# Altium PCB PCB1.PcbDoc (part 2 of 6)
Units mil, origin at the board's own origin, x right, y up, seen from the top; angles counter-clockwise.
Board outline 3937.01 x 3937.01 mil, 4 copper layers (Top Layer, GND, PWR, Bottom Layer), stack 72.967 mil thick; 11 components, 206 nets, 668 pads, 258 vias.
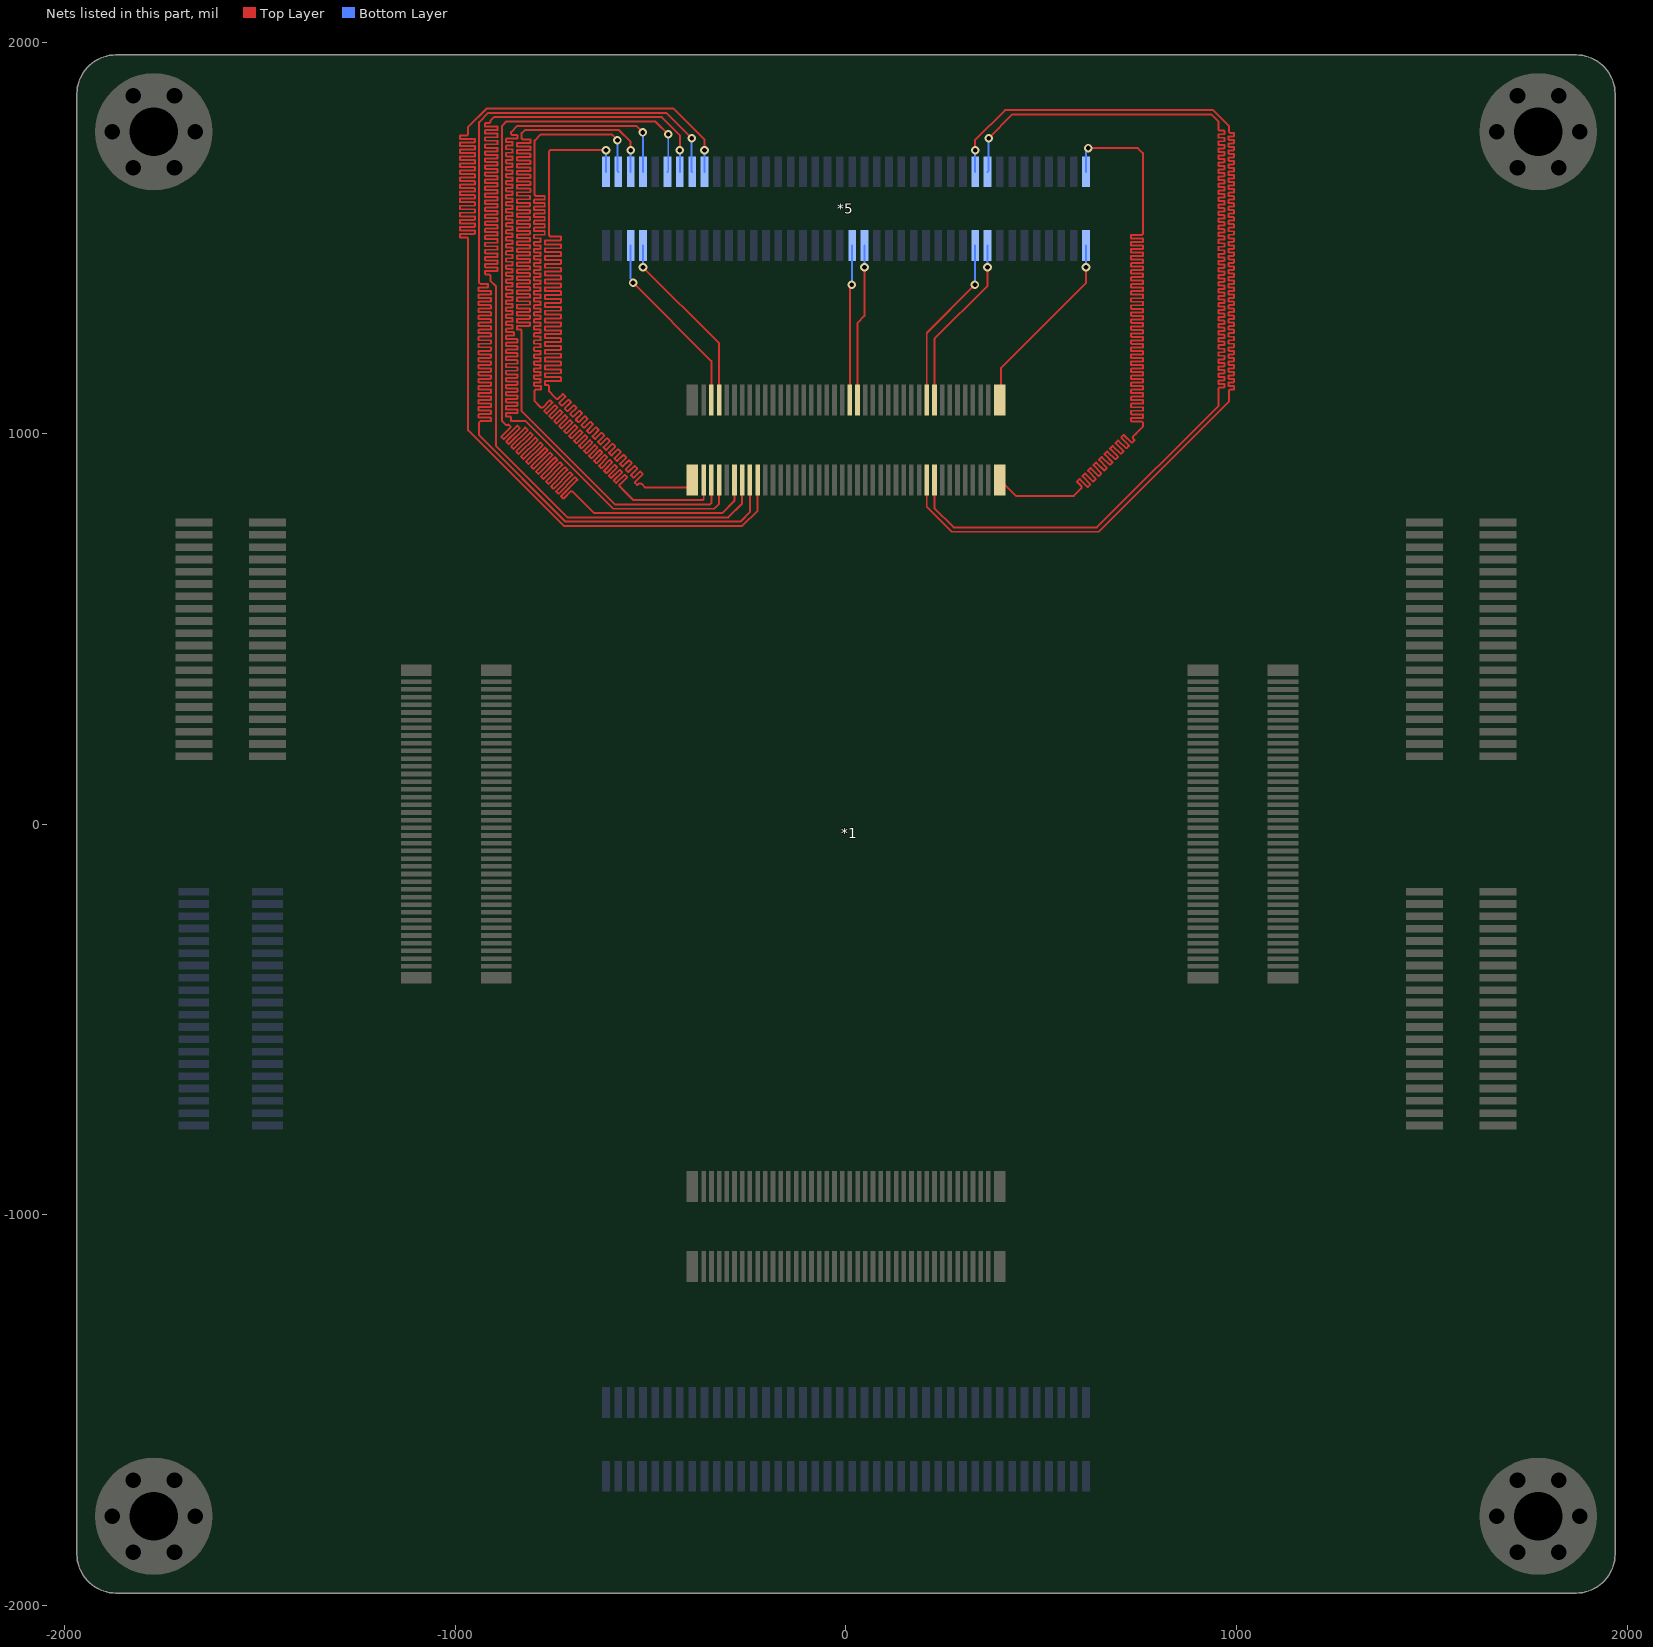
[diagram p4: the nets of this part, all layers, seen from the top]

## Via types
v1: diameter 22, hole 12, Top Layer to Bottom Layer, 254 vias
v2: diameter 24, hole 12, Top Layer to Bottom Layer, 4 vias

## Nets (pads, with @x,y where several pads share a name; then routed paths per layer and width w, separated by ;. In a path a pad name is that pad's centre, name@x,y a point inside that pad or via, vN(x,y) a via of type N, cw(c..) or ccw(c..) an arc to the next point about the centre after c; other vN are vias at no path point) (continued)
B13_L12_N: *1.97 *5.17 | length 3540.6
  Top Layer w5: v1(-362.21,1724.66) -362.21,1752.21 -441,1831 -920.11,1831 -967,1784.11 -967,1773 -967,1765.36 -969.93,1762.43 -987.55,1762.43 -988,1761.98 -988,1753.88 -987.55,1753.43 -950.45,1753.43 -950,1752.98 -950,1744.88 -950.45,1744.43 -987.55,1744.43 -988,1743.98 -988,1735.88 -987.55,1735.43 -950.45,1735.43 -950,1734.98 -950,1726.88 -950.45,1726.43 -987.55,1726.43 -988,1725.98 -988,1717.88 -987.55,1717.43 -950.45,1717.43 -950,1716.98 -950,1708.88 -950.45,1708.43 -987.55,1708.43 -988,1707.98 -988,1699.88 -987.55,1699.43 -950.45,1699.43 -950,1698.98 -950,1690.88 -950.45,1690.43 -987.55,1690.43 -988,1689.98 -988,1681.88 -987.55,1681.43 -950.45,1681.43 -950,1680.98 -950,1672.88 -950.45,1672.43 -987.55,1672.43 -988,1671.98 -988,1663.88 -987.55,1663.43 -950.45,1663.43 -950,1662.98 -950,1654.88 -950.45,1654.43 -987.55,1654.43 -988,1653.98 -988,1645.88 -987.55,1645.43 -950.45,1645.43 -950,1644.98 -950,1636.88 -950.45,1636.43 -987.55,1636.43 -988,1635.98 -988,1627.88 -987.55,1627.43 -950.45,1627.43 -950,1626.98 -950,1618.88 -950.45,1618.43 -987.55,1618.43 -988,1617.98 -988,1609.88 -987.55,1609.43 -950.45,1609.43 -950,1608.98 -950,1600.88 -950.45,1600.43 -987.55,1600.43 -988,1599.98 -988,1591.88 -987.55,1591.43 -950.45,1591.43 -950,1590.98 -950,1582.88 -950.45,1582.43 -987.55,1582.43 -988,1581.98 -988,1573.88 -987.55,1573.43 -950.45,1573.43 -950,1572.98 -950,1564.88 -950.45,1564.43 -987.55,1564.43 -988,1563.98 -988,1555.88 -987.55,1555.43 -950.45,1555.43 -950,1554.98 -950,1546.88 -950.45,1546.43 -987.55,1546.43 -988,1545.98 -988,1537.88 -987.55,1537.43 -950.45,1537.43 -950,1536.98 -950,1528.88 -950.45,1528.43 -987.55,1528.43 -988,1527.98 -988,1519.88 -987.55,1519.43 -950.45,1519.43 -950,1518.98 -950,1510.88 -950.45,1510.43 -987.55,1510.43 -988,1509.98 -988,1501.88 -987.55,1501.43 -969.93,1501.43 -967,1498.5 -967,1496 -967,1007.45 -722.46,762.91 -265.5,762.91 -226.34,802.06 *1.97@-226.34,880.78
  Bottom Layer w5: *5.17@-362.21,1669.29 v1(-362.21,1724.66)
B13_L12_P: *1.95 *5.15 | length 3561
  Top Layer w5: v1(-395,1755) -460,1820 -915.56,1820 -939,1796.56 -939,1392 -939,1385.11 -936.07,1382.18 -917.19,1382.18 -916.74,1381.73 -916.74,1373.63 -917.19,1373.18 -939.99,1373.18 -940.44,1372.73 -940.44,1364.63 -939.99,1364.18 -909.45,1364.18 -909,1363.73 -909,1355.63 -909.45,1355.18 -939.99,1355.18 -940.44,1354.73 -940.44,1346.63 -939.99,1346.18 -909.45,1346.18 -909,1345.73 -909,1337.63 -909.45,1337.18 -939.99,1337.18 -940.44,1336.73 -940.44,1328.63 -939.99,1328.18 -909.45,1328.18 -909,1327.73 -909,1319.63 -909.45,1319.18 -939.99,1319.18 -940.44,1318.73 -940.44,1310.63 -939.99,1310.18 -909.45,1310.18 -909,1309.73 -909,1301.63 -909.45,1301.18 -939.99,1301.18 -940.44,1300.73 -940.44,1292.63 -939.99,1292.18 -909.45,1292.18 -909,1291.73 -909,1283.63 -909.45,1283.18 -939.99,1283.18 -940.44,1282.73 -940.44,1274.63 -939.99,1274.18 -909.45,1274.18 -909,1273.73 -909,1265.63 -909.45,1265.18 -939.99,1265.18 -940.44,1264.73 -940.44,1256.63 -939.99,1256.18 -909.45,1256.18 -909,1255.73 -909,1247.63 -909.45,1247.18 -939.99,1247.18 -940.44,1246.73 -940.44,1238.63 -939.99,1238.18 -909.45,1238.18 -909,1237.73 -909,1229.63 -909.45,1229.18 -939.99,1229.18 -940.44,1228.73 -940.44,1220.63 -939.99,1220.18 -909.45,1220.18 -909,1219.73 -909,1211.63 -909.45,1211.18 -939.99,1211.18 -940.44,1210.73 -940.44,1202.63 -939.99,1202.18 -909.45,1202.18 -909,1201.73 -909,1193.63 -909.45,1193.18 -939.99,1193.18 -940.44,1192.73 -940.44,1184.63 -939.99,1184.18 -909.45,1184.18 -909,1183.73 -909,1175.63 -909.45,1175.18 -939.99,1175.18 -940.44,1174.73 -940.44,1166.63 -939.99,1166.18 -909.45,1166.18 -909,1165.73 -909,1157.63 -909.45,1157.18 -939.99,1157.18 -940.44,1156.73 -940.44,1148.63 -939.99,1148.18 -909.45,1148.18 -909,1147.73 -909,1139.63 -909.45,1139.18 -939.99,1139.18 -940.44,1138.73 -940.44,1130.63 -939.99,1130.18 -909.45,1130.18 -909,1129.73 -909,1121.63 -909.45,1121.18 -939.99,1121.18 -940.44,1120.73 -940.44,1112.63 -939.99,1112.18 -909.45,1112.18 -909,1111.73 -909,1103.63 -909.45,1103.18 -939.99,1103.18 -940.44,1102.73 -940.44,1094.63 -939.99,1094.18 -909.45,1094.18 -909,1093.73 -909,1085.63 -909.45,1085.18 -939.99,1085.18 -940.44,1084.73 -940.44,1076.63 -939.99,1076.18 -909.45,1076.18 -909,1075.73 -909,1067.63 -909.45,1067.18 -939.99,1067.18 -940.44,1066.73 -940.44,1058.63 -939.99,1058.18 -909.45,1058.18 -909,1057.73 -909,1049.63 -909.45,1049.18 -939.99,1049.18 -940.44,1048.73 -940.44,1040.63 -939.99,1040.18 -909.45,1040.18 -909,1039.73 -909,1031.63 -909.45,1031.18 -936.07,1031.18 -939,1028.25 -939,1016.75 -939,995.01 -717.9,773.91 -270.05,773.91 -246.03,797.93 *1.95@-246.03,880.78
  Bottom Layer w5: v1(-395,1755) -395,1670.59 *5.15@-393.7,1669.29
B13_L13_N: *1.93 *5.13 | length 3540.1
  Top Layer w5: v1(-425.2,1724.66) -425.2,1762.78 -471.42,1809 -901,1809 -910,1800 -910,1796.66 -912.93,1793.74 -922.95,1793.74 -923.4,1793.29 -923.4,1785.19 -922.95,1784.74 -892.45,1784.74 -892,1784.29 -892,1776.19 -892.45,1775.74 -922.95,1775.74 -923.4,1775.29 -923.4,1767.19 -922.95,1766.74 -892.45,1766.74 -892,1766.29 -892,1758.19 -892.45,1757.74 -922.95,1757.74 -923.4,1757.29 -923.4,1749.19 -922.95,1748.74 -892.45,1748.74 -892,1748.29 -892,1740.19 -892.45,1739.74 -922.95,1739.74 -923.4,1739.29 -923.4,1731.19 -922.95,1730.74 -892.45,1730.74 -892,1730.29 -892,1722.19 -892.45,1721.74 -922.95,1721.74 -923.4,1721.29 -923.4,1713.19 -922.95,1712.74 -892.45,1712.74 -892,1712.29 -892,1704.19 -892.45,1703.74 -922.95,1703.74 -923.4,1703.29 -923.4,1695.19 -922.95,1694.74 -892.45,1694.74 -892,1694.29 -892,1686.19 -892.45,1685.74 -922.95,1685.74 -923.4,1685.29 -923.4,1677.19 -922.95,1676.74 -892.45,1676.74 -892,1676.29 -892,1668.19 -892.45,1667.74 -922.95,1667.74 -923.4,1667.29 -923.4,1659.19 -922.95,1658.74 -892.45,1658.74 -892,1658.29 -892,1650.19 -892.45,1649.74 -922.95,1649.74 -923.4,1649.29 -923.4,1641.19 -922.95,1640.74 -892.45,1640.74 -892,1640.29 -892,1632.19 -892.45,1631.74 -922.95,1631.74 -923.4,1631.29 -923.4,1623.19 -922.95,1622.74 -892.45,1622.74 -892,1622.29 -892,1614.19 -892.45,1613.74 -922.95,1613.74 -923.4,1613.29 -923.4,1605.19 -922.95,1604.74 -892.45,1604.74 -892,1604.29 -892,1596.19 -892.45,1595.74 -922.95,1595.74 -923.4,1595.29 -923.4,1587.19 -922.95,1586.74 -892.45,1586.74 -892,1586.29 -892,1578.19 -892.45,1577.74 -922.95,1577.74 -923.4,1577.29 -923.4,1569.19 -922.95,1568.74 -892.45,1568.74 -892,1568.29 -892,1560.19 -892.45,1559.74 -922.95,1559.74 -923.4,1559.29 -923.4,1551.19 -922.95,1550.74 -892.45,1550.74 -892,1550.29 -892,1542.19 -892.45,1541.74 -922.95,1541.74 -923.4,1541.29 -923.4,1533.19 -922.95,1532.74 -892.45,1532.74 -892,1532.29 -892,1524.19 -892.45,1523.74 -922.95,1523.74 -923.4,1523.29 -923.4,1515.19 -922.95,1514.74 -892.45,1514.74 -892,1514.29 -892,1506.19 -892.45,1505.74 -922.95,1505.74 -923.4,1505.29 -923.4,1497.19 -922.95,1496.74 -892.45,1496.74 -892,1496.29 -892,1488.19 -892.45,1487.74 -922.95,1487.74 -923.4,1487.29 -923.4,1479.19 -922.95,1478.74 -892.45,1478.74 -892,1478.29 -892,1470.19 -892.45,1469.74 -922.95,1469.74 -923.4,1469.29 -923.4,1461.19 -922.95,1460.74 -892.45,1460.74 -892,1460.29 -892,1452.19 -892.45,1451.74 -922.95,1451.74 -923.4,1451.29 -923.4,1443.19 -922.95,1442.74 -892.45,1442.74 -892,1442.29 -892,1434.19 -892.45,1433.74 -922.95,1433.74 -923.4,1433.29 -923.4,1425.19 -922.95,1424.74 -892.45,1424.74 -892,1424.29 -892,1416.19 -892.45,1415.74 -922.95,1415.74 -923.4,1415.29 -923.4,1407.19 -922.95,1406.74 -912.93,1406.74 -910,1403.81 -910,1401.31 -910,1391 -896,1377 -896,967.56 -713.35,784.91 -301.09,784.91 -265.71,820.29 *1.93@-265.71,880.78
  Bottom Layer w5: *5.13@-425.2,1669.29 v1(-425.2,1724.66)
B13_L13_P: *1.91 *5.11 | length 3526.5
  Top Layer w5: v1(-455,1765) -488,1798 -869,1798 -881,1786 -881,1032.32 -872.34,1023.66 -870.57,1021.89 -869.71,1021.03 -865.57,1021.03 -864.37,1022.24 -863.73,1022.24 -858,1016.51 -858,1015.87 -882.17,991.7 -882.17,991.07 -876.44,985.34 -875.81,985.34 -841.47,1019.68 -840.83,1019.68 -835.1,1013.95 -835.1,1013.32 -869.44,978.98 -869.44,978.34 -863.72,972.61 -863.08,972.61 -821.29,1014.4 -820.65,1014.4 -814.93,1008.68 -814.93,1008.04 -856.72,966.25 -856.72,965.61 -850.99,959.88 -850.35,959.88 -808.56,1001.67 -807.93,1001.67 -802.2,995.95 -802.2,995.31 -843.99,953.52 -843.99,952.88 -838.26,947.16 -837.62,947.16 -795.83,988.95 -795.2,988.95 -789.47,983.22 -789.47,982.58 -831.26,940.79 -831.26,940.16 -825.53,934.43 -824.9,934.43 -783.11,976.22 -782.47,976.22 -776.74,970.49 -776.74,969.86 -818.53,928.06 -818.53,927.43 -812.8,921.7 -812.17,921.7 -770.38,963.49 -769.74,963.49 -764.01,957.76 -764.01,957.13 -805.8,915.34 -805.8,914.7 -800.08,908.97 -799.44,908.97 -757.65,950.76 -757.01,950.76 -751.29,945.04 -751.29,944.4 -793.08,902.61 -793.08,901.97 -787.35,896.25 -786.71,896.25 -744.92,938.04 -744.29,938.04 -738.56,932.31 -738.56,931.67 -780.35,889.88 -780.35,889.24 -774.62,883.52 -773.98,883.52 -732.19,925.31 -731.56,925.31 -725.83,919.58 -725.83,918.94 -767.62,877.15 -767.62,876.52 -761.89,870.79 -761.26,870.79 -719.47,912.58 -718.83,912.58 -713.1,906.85 -713.1,906.22 -754.89,864.43 -754.89,863.79 -749.16,858.06 -748.53,858.06 -706.74,899.85 -706.1,899.85 -700.37,894.12 -700.37,893.49 -742.16,851.7 -742.16,851.06 -736.44,845.33 -735.8,845.33 -694.01,887.12 -693.37,887.12 -687.65,881.4 -687.65,880.76 -729.44,838.97 -729.44,838.33 -723.71,832.61 -723.07,832.61 -704.25,851.43 -700.11,851.43 -698.34,849.66 -644.59,795.91 -317.09,795.91 -285.4,827.6 *1.91@-285.4,880.78
  Bottom Layer w5: *5.11@-456.69,1669.29 -455,1670.99 v1(-455,1765)
B13_L14_N: *1.88 *5.8 | length 495.1
  Top Layer w5: v1(-519.69,1424.95) -324.77,1230.03 *1.88@-324.77,1066
  Bottom Layer w5: v1(-519.69,1424.95) *5.8@-519.69,1480.32
B13_L14_P: *1.86 *5.6 | length 480.4
  Top Layer w5: v1(-545,1385) -344.45,1184.45 *1.86@-344.45,1085.5
  Bottom Layer w5: *5.6@-551.18,1480.32 -551.18,1395.78 -545,1389.6 v1(-545,1385)
B13_L15_N: *1.87 *5.7 | length 3488.3
  Top Layer w5: v1(-520,1770) -537,1787 -841,1787 -857,1771 -857,1765.94 -854.07,1763.01 -841.45,1763.01 -841,1762.56 -841,1754.46 -841.45,1754.01 -869.55,1754.01 -870,1753.56 -870,1745.46 -869.55,1745.01 -853.5,1745.01 -853.05,1744.56 -853.05,1736.46 -853.5,1736.01 -869.55,1736.01 -870,1735.56 -870,1727.46 -869.55,1727.01 -853.5,1727.01 -853.05,1726.56 -853.05,1718.46 -853.5,1718.01 -869.55,1718.01 -870,1717.56 -870,1709.46 -869.55,1709.01 -853.5,1709.01 -853.05,1708.56 -853.05,1700.46 -853.5,1700.01 -869.55,1700.01 -870,1699.56 -870,1691.46 -869.55,1691.01 -853.5,1691.01 -853.05,1690.56 -853.05,1682.46 -853.5,1682.01 -869.55,1682.01 -870,1681.56 -870,1673.46 -869.55,1673.01 -853.5,1673.01 -853.05,1672.56 -853.05,1664.46 -853.5,1664.01 -869.55,1664.01 -870,1663.56 -870,1655.46 -869.55,1655.01 -853.5,1655.01 -853.05,1654.56 -853.05,1646.46 -853.5,1646.01 -869.55,1646.01 -870,1645.56 -870,1637.46 -869.55,1637.01 -853.5,1637.01 -853.05,1636.56 -853.05,1628.46 -853.5,1628.01 -869.55,1628.01 -870,1627.56 -870,1619.46 -869.55,1619.01 -853.5,1619.01 -853.05,1618.56 -853.05,1610.46 -853.5,1610.01 -869.55,1610.01 -870,1609.56 -870,1601.46 -869.55,1601.01 -853.5,1601.01 -853.05,1600.56 -853.05,1592.46 -853.5,1592.01 -869.55,1592.01 -870,1591.56 -870,1583.46 -869.55,1583.01 -853.5,1583.01 -853.05,1582.56 -853.05,1574.46 -853.5,1574.01 -869.55,1574.01 -870,1573.56 -870,1565.46 -869.55,1565.01 -853.5,1565.01 -853.05,1564.56 -853.05,1556.46 -853.5,1556.01 -869.55,1556.01 -870,1555.56 -870,1547.46 -869.55,1547.01 -853.5,1547.01 -853.05,1546.56 -853.05,1538.46 -853.5,1538.01 -869.55,1538.01 -870,1537.56 -870,1529.46 -869.55,1529.01 -853.5,1529.01 -853.05,1528.56 -853.05,1520.46 -853.5,1520.01 -869.55,1520.01 -870,1519.56 -870,1511.46 -869.55,1511.01 -853.5,1511.01 -853.05,1510.56 -853.05,1502.46 -853.5,1502.01 -869.55,1502.01 -870,1501.56 -870,1493.46 -869.55,1493.01 -853.5,1493.01 -853.05,1492.56 -853.05,1484.46 -853.5,1484.01 -869.55,1484.01 -870,1483.56 -870,1475.46 -869.55,1475.01 -853.5,1475.01 -853.05,1474.56 -853.05,1466.46 -853.5,1466.01 -869.55,1466.01 -870,1465.56 -870,1457.46 -869.55,1457.01 -853.5,1457.01 -853.05,1456.56 -853.05,1448.46 -853.5,1448.01 -869.55,1448.01 -870,1447.56 -870,1439.46 -869.55,1439.01 -853.5,1439.01 -853.05,1438.56 -853.05,1430.46 -853.5,1430.01 -869.55,1430.01 -870,1429.56 -870,1421.46 -869.55,1421.01 -853.5,1421.01 -853.05,1420.56 -853.05,1412.46 -853.5,1412.01 -869.55,1412.01 -870,1411.56 -870,1403.46 -869.55,1403.01 -853.5,1403.01 -853.05,1402.56 -853.05,1394.46 -853.5,1394.01 -869.55,1394.01 -870,1393.56 -870,1385.46 -869.55,1385.01 -853.5,1385.01 -853.05,1384.56 -853.05,1376.46 -853.5,1376.01 -869.55,1376.01 -870,1375.56 -870,1367.46 -869.55,1367.01 -853.5,1367.01 -853.05,1366.56 -853.05,1358.46 -853.5,1358.01 -869.55,1358.01 -870,1357.56 -870,1349.46 -869.55,1349.01 -853.5,1349.01 -853.05,1348.56 -853.05,1340.46 -853.5,1340.01 -869.55,1340.01 -870,1339.56 -870,1331.46 -869.55,1331.01 -853.5,1331.01 -853.05,1330.56 -853.05,1322.46 -853.5,1322.01 -869.55,1322.01 -870,1321.56 -870,1313.46 -869.55,1313.01 -853.5,1313.01 -853.05,1312.56 -853.05,1304.46 -853.5,1304.01 -869.55,1304.01 -870,1303.56 -870,1295.46 -869.55,1295.01 -853.5,1295.01 -853.05,1294.56 -853.05,1286.46 -853.5,1286.01 -869.55,1286.01 -870,1285.56 -870,1277.46 -869.55,1277.01 -853.5,1277.01 -853.05,1276.56 -853.05,1268.46 -853.5,1268.01 -869.55,1268.01 -870,1267.56 -870,1259.46 -869.55,1259.01 -850.63,1259.01 -850.18,1258.56 -850.18,1250.46 -850.63,1250.01 -869.55,1250.01 -870,1249.56 -870,1241.46 -869.55,1241.01 -841.45,1241.01 -841,1240.56 -841,1232.46 -841.45,1232.01 -869.55,1232.01 -870,1231.56 -870,1223.46 -869.55,1223.01 -841.45,1223.01 -841,1222.56 -841,1214.46 -841.45,1214.01 -869.55,1214.01 -870,1213.56 -870,1205.46 -869.55,1205.01 -841.45,1205.01 -841,1204.56 -841,1196.46 -841.45,1196.01 -869.55,1196.01 -870,1195.56 -870,1187.46 -869.55,1187.01 -841.45,1187.01 -841,1186.56 -841,1178.46 -841.45,1178.01 -869.55,1178.01 -870,1177.56 -870,1169.46 -869.55,1169.01 -841.45,1169.01 -841,1168.56 -841,1160.46 -841.45,1160.01 -869.55,1160.01 -870,1159.56 -870,1151.46 -869.55,1151.01 -841.45,1151.01 -841,1150.56 -841,1142.46 -841.45,1142.01 -869.55,1142.01 -870,1141.56 -870,1133.46 -869.55,1133.01 -841.45,1133.01 -841,1132.56 -841,1124.46 -841.45,1124.01 -869.55,1124.01 -870,1123.56 -870,1115.46 -869.55,1115.01 -841.45,1115.01 -841,1114.56 -841,1106.46 -841.45,1106.01 -869.55,1106.01 -870,1105.56 -870,1097.46 -869.55,1097.01 -841.45,1097.01 -841,1096.56 -841,1088.46 -841.45,1088.01 -869.55,1088.01 -870,1087.56 -870,1079.46 -869.55,1079.01 -841.45,1079.01 -841,1078.56 -841,1070.46 -841.45,1070.01 -869.55,1070.01 -870,1069.56 -870,1061.46 -869.55,1061.01 -841.45,1061.01 -841,1060.56 -841,1052.46 -841.45,1052.01 -869.55,1052.01 -870,1051.56 -870,1043.46 -869.55,1043.01 -859.93,1043.01 -857,1040.08 -857,1037.58 -857,1031 -820,1031 -595.91,806.91 -337.64,806.91 -324.77,819.78 *1.87@-324.77,880.78
  Bottom Layer w5: v1(-520,1770) -520,1669.61 *5.7@-519.69,1669.29
B13_L15_P: *1.85 *5.5 | length 3496.3
  Top Layer w5: v1(-551.18,1724.66) -551.18,1746.18 -581,1776 -822,1776 -830,1768 -830,1763.5 -830,1754.9 -827.07,1751.97 -808.45,1751.97 -808,1751.52 -808,1743.42 -808.45,1742.97 -841.6,1742.97 -842.05,1742.52 -842.05,1734.42 -841.6,1733.97 -808.45,1733.97 -808,1733.52 -808,1725.42 -808.45,1724.97 -841.6,1724.97 -842.05,1724.52 -842.05,1716.42 -841.6,1715.97 -808.45,1715.97 -808,1715.52 -808,1707.42 -808.45,1706.97 -841.6,1706.97 -842.05,1706.52 -842.05,1698.42 -841.6,1697.97 -808.45,1697.97 -808,1697.52 -808,1689.42 -808.45,1688.97 -841.6,1688.97 -842.05,1688.52 -842.05,1680.42 -841.6,1679.97 -808.45,1679.97 -808,1679.52 -808,1671.42 -808.45,1670.97 -841.6,1670.97 -842.05,1670.52 -842.05,1662.42 -841.6,1661.97 -808.45,1661.97 -808,1661.52 -808,1653.42 -808.45,1652.97 -841.6,1652.97 -842.05,1652.52 -842.05,1644.42 -841.6,1643.97 -808.45,1643.97 -808,1643.52 -808,1635.42 -808.45,1634.97 -841.6,1634.97 -842.05,1634.52 -842.05,1626.42 -841.6,1625.97 -808.45,1625.97 -808,1625.52 -808,1617.42 -808.45,1616.97 -841.6,1616.97 -842.05,1616.52 -842.05,1608.42 -841.6,1607.97 -809.4,1607.97 -808.95,1607.52 -808.95,1599.42 -809.4,1598.97 -841.6,1598.97 -842.05,1598.52 -842.05,1590.42 -841.6,1589.97 -809.47,1589.97 -809.02,1589.52 -809.02,1581.42 -809.47,1580.97 -841.6,1580.97 -842.05,1580.52 -842.05,1572.42 -841.6,1571.97 -809.47,1571.97 -809.02,1571.52 -809.02,1563.42 -809.47,1562.97 -841.6,1562.97 -842.05,1562.52 -842.05,1554.42 -841.6,1553.97 -809.47,1553.97 -809.02,1553.52 -809.02,1545.42 -809.47,1544.97 -841.6,1544.97 -842.05,1544.52 -842.05,1536.42 -841.6,1535.97 -809.47,1535.97 -809.02,1535.52 -809.02,1527.42 -809.47,1526.97 -841.6,1526.97 -842.05,1526.52 -842.05,1518.42 -841.6,1517.97 -809.47,1517.97 -809.02,1517.52 -809.02,1509.42 -809.47,1508.97 -841.6,1508.97 -842.05,1508.52 -842.05,1500.42 -841.6,1499.97 -809.47,1499.97 -809.02,1499.52 -809.02,1491.42 -809.47,1490.97 -841.6,1490.97 -842.05,1490.52 -842.05,1482.42 -841.6,1481.97 -809.47,1481.97 -809.02,1481.52 -809.02,1473.42 -809.47,1472.97 -841.6,1472.97 -842.05,1472.52 -842.05,1464.42 -841.6,1463.97 -809.47,1463.97 -809.02,1463.52 -809.02,1455.42 -809.47,1454.97 -841.6,1454.97 -842.05,1454.52 -842.05,1446.42 -841.6,1445.97 -809.47,1445.97 -809.02,1445.52 -809.02,1437.42 -809.47,1436.97 -841.6,1436.97 -842.05,1436.52 -842.05,1428.42 -841.6,1427.97 -809.47,1427.97 -809.02,1427.52 -809.02,1419.42 -809.47,1418.97 -841.6,1418.97 -842.05,1418.52 -842.05,1410.42 -841.6,1409.97 -809.47,1409.97 -809.02,1409.52 -809.02,1401.42 -809.47,1400.97 -841.6,1400.97 -842.05,1400.52 -842.05,1392.42 -841.6,1391.97 -809.47,1391.97 -809.02,1391.52 -809.02,1383.42 -809.47,1382.97 -841.6,1382.97 -842.05,1382.52 -842.05,1374.42 -841.6,1373.97 -809.47,1373.97 -809.02,1373.52 -809.02,1365.42 -809.47,1364.97 -841.6,1364.97 -842.05,1364.52 -842.05,1356.42 -841.6,1355.97 -809.47,1355.97 -809.02,1355.52 -809.02,1347.42 -809.47,1346.97 -841.6,1346.97 -842.05,1346.52 -842.05,1338.42 -841.6,1337.97 -809.47,1337.97 -809.02,1337.52 -809.02,1329.42 -809.47,1328.97 -841.6,1328.97 -842.05,1328.52 -842.05,1320.42 -841.6,1319.97 -809.47,1319.97 -809.02,1319.52 -809.02,1311.42 -809.47,1310.97 -841.6,1310.97 -842.05,1310.52 -842.05,1302.42 -841.6,1301.97 -809.47,1301.97 -809.02,1301.52 -809.02,1293.42 -809.47,1292.97 -841.6,1292.97 -842.05,1292.52 -842.05,1284.42 -841.6,1283.97 -809.47,1283.97 -809.02,1283.52 -809.02,1275.42 -809.47,1274.97 -841.6,1274.97 -842.05,1274.52 -842.05,1266.42 -841.6,1265.97 -832.93,1265.97 -830,1263.04 -830,1260.54 -830,1056.56 -591.35,817.91 -347.47,817.91 -344.45,820.93 *1.85@-344.45,880.78
  Bottom Layer w5: *5.5@-551.18,1669.29 v1(-551.18,1724.66)
B13_L16_N: *1.83 *5.3 | length 3529.5
  Top Layer w5: v1(-585,1750) -600,1765 -781,1765 -797,1749 -797,1627.41 -797,1610.11 -794.07,1607.18 -771.45,1607.18 -771,1606.73 -771,1598.63 -771.45,1598.18 -797.57,1598.18 -798.02,1597.73 -798.02,1589.63 -797.57,1589.18 -771.45,1589.18 -771,1588.73 -771,1580.63 -771.45,1580.18 -797.57,1580.18 -798.02,1579.73 -798.02,1571.63 -797.57,1571.18 -771.45,1571.18 -771,1570.73 -771,1562.63 -771.45,1562.18 -797.57,1562.18 -798.02,1561.73 -798.02,1553.63 -797.57,1553.18 -771.45,1553.18 -771,1552.73 -771,1544.63 -771.45,1544.18 -797.57,1544.18 -798.02,1543.73 -798.02,1535.63 -797.57,1535.18 -771.45,1535.18 -771,1534.73 -771,1526.63 -771.45,1526.18 -797.57,1526.18 -798.02,1525.73 -798.02,1517.63 -797.57,1517.18 -771.45,1517.18 -771,1516.73 -771,1508.63 -771.45,1508.18 -797.57,1508.18 -798.02,1507.73 -798.02,1499.63 -797.57,1499.18 -781.9,1499.18 -781.45,1498.73 -781.45,1490.63 -781.9,1490.18 -797.57,1490.18 -798.02,1489.73 -798.02,1481.63 -797.57,1481.18 -781.9,1481.18 -781.45,1480.73 -781.45,1472.63 -781.9,1472.18 -797.57,1472.18 -798.02,1471.73 -798.02,1463.63 -797.57,1463.18 -781.86,1463.18 -781.41,1462.73 -781.41,1454.63 -781.86,1454.18 -797.57,1454.18 -798.02,1453.73 -798.02,1445.63 -797.57,1445.18 -781.9,1445.18 -781.45,1444.73 -781.45,1436.63 -781.9,1436.18 -797.57,1436.18 -798.02,1435.73 -798.02,1427.63 -797.57,1427.18 -781.9,1427.18 -781.45,1426.73 -781.45,1418.63 -781.9,1418.18 -797.57,1418.18 -798.02,1417.73 -798.02,1409.63 -797.57,1409.18 -781.9,1409.18 -781.45,1408.73 -781.45,1400.63 -781.9,1400.18 -797.57,1400.18 -798.02,1399.73 -798.02,1391.63 -797.57,1391.18 -781.9,1391.18 -781.45,1390.73 -781.45,1382.63 -781.9,1382.18 -797.57,1382.18 -798.02,1381.73 -798.02,1373.63 -797.57,1373.18 -781.9,1373.18 -781.45,1372.73 -781.45,1364.63 -781.9,1364.18 -797.57,1364.18 -798.02,1363.73 -798.02,1355.63 -797.57,1355.18 -781.9,1355.18 -781.45,1354.73 -781.45,1346.63 -781.9,1346.18 -797.57,1346.18 -798.02,1345.73 -798.02,1337.63 -797.57,1337.18 -781.9,1337.18 -781.45,1336.73 -781.45,1328.63 -781.9,1328.18 -797.57,1328.18 -798.02,1327.73 -798.02,1319.63 -797.57,1319.18 -781.9,1319.18 -781.45,1318.73 -781.45,1310.63 -781.9,1310.18 -797.57,1310.18 -798.02,1309.73 -798.02,1301.63 -797.57,1301.18 -781.9,1301.18 -781.45,1300.73 -781.45,1292.63 -781.9,1292.18 -797.57,1292.18 -798.02,1291.73 -798.02,1283.63 -797.57,1283.18 -781.86,1283.18 -781.41,1282.73 -781.41,1274.63 -781.86,1274.18 -797.57,1274.18 -798.02,1273.73 -798.02,1265.63 -797.57,1265.18 -781.9,1265.18 -781.45,1264.73 -781.45,1256.63 -781.9,1256.18 -797.57,1256.18 -798.02,1255.73 -798.02,1247.63 -797.57,1247.18 -781.9,1247.18 -781.45,1246.73 -781.45,1238.63 -781.9,1238.18 -797.57,1238.18 -798.02,1237.73 -798.02,1229.63 -797.57,1229.18 -781.9,1229.18 -781.45,1228.73 -781.45,1220.63 -781.9,1220.18 -797.57,1220.18 -798.02,1219.73 -798.02,1211.63 -797.57,1211.18 -781.9,1211.18 -781.45,1210.73 -781.45,1202.63 -781.9,1202.18 -797.57,1202.18 -798.02,1201.73 -798.02,1193.63 -797.57,1193.18 -781.9,1193.18 -781.45,1192.73 -781.45,1184.63 -781.9,1184.18 -797.57,1184.18 -798.02,1183.73 -798.02,1175.63 -797.57,1175.18 -781.9,1175.18 -781.45,1174.73 -781.45,1166.63 -781.9,1166.18 -797.57,1166.18 -798.02,1165.73 -798.02,1157.63 -797.57,1157.18 -781.9,1157.18 -781.45,1156.73 -781.45,1148.63 -781.9,1148.18 -797.57,1148.18 -798.02,1147.73 -798.02,1139.63 -797.57,1139.18 -781.89,1139.18 -781.44,1138.73 -781.44,1130.63 -781.89,1130.18 -797.57,1130.18 -798.02,1129.73 -798.02,1121.63 -797.57,1121.18 -781.49,1121.18 -781.04,1120.73 -781.04,1112.63 -781.49,1112.18 -794.07,1112.18 -797,1109.25 -797,1097.75 -797,1082 -784.5,1069.5 -782.73,1067.73 -780.68,1065.68 -776.54,1065.68 -757.72,1084.51 -757.08,1084.51 -751.35,1078.78 -751.35,1078.14 -772.12,1057.38 -772.12,1056.74 -766.39,1051.01 -765.75,1051.01 -744.99,1071.78 -744.35,1071.78 -738.62,1066.05 -738.62,1065.41 -759.39,1044.65 -759.39,1044.01 -753.66,1038.28 -753.03,1038.28 -732.26,1059.05 -731.62,1059.05 -725.9,1053.32 -725.9,1052.69 -746.66,1031.92 -746.66,1031.28 -740.94,1025.56 -740.3,1025.56 -719.53,1046.32 -718.9,1046.32 -713.17,1040.59 -713.17,1039.96 -733.93,1019.19 -733.93,1018.55 -728.21,1012.83 -727.57,1012.83 -706.8,1033.59 -706.17,1033.59 -700.44,1027.87 -700.44,1027.23 -721.21,1006.46 -721.21,1005.83 -715.48,1000.1 -714.84,1000.1 -694.08,1020.87 -693.44,1020.87 -687.71,1015.14 -687.71,1014.5 -708.48,993.74 -708.48,993.1 -702.75,987.37 -702.12,987.37 -681.35,1008.14 -680.71,1008.14 -674.98,1002.41 -674.98,1001.77 -695.75,981.01 -695.75,980.37 -690.02,974.64 -689.39,974.64 -668.62,995.41 -667.98,995.41 -662.26,989.68 -662.26,989.05 -683.02,968.28 -683.02,967.64 -677.3,961.92 -676.66,961.92 -655.89,982.68 -655.26,982.68 -649.53,976.95 -649.53,976.32 -670.3,955.55 -670.3,954.92 -664.57,949.19 -663.93,949.19 -643.16,969.95 -642.53,969.95 -636.8,964.23 -636.8,963.59 -657.57,942.82 -657.57,942.19 -651.84,936.46 -651.2,936.46 -630.44,957.23 -629.8,957.23 -624.07,951.5 -624.07,950.86 -644.84,930.1 -644.84,929.46 -639.11,923.73 -638.48,923.73 -617.71,944.5 -617.07,944.5 -611.34,938.77 -611.34,938.13 -632.11,917.37 -632.11,916.73 -626.38,911 -625.75,911 -604.98,931.77 -604.34,931.77 -598.62,926.04 -598.62,925.41 -619.38,904.64 -619.38,904 -613.66,898.28 -613.02,898.28 -592.25,919.04 -591.62,919.04 -585.89,913.32 -585.89,912.68 -606.66,891.91 -606.66,891.28 -600.93,885.55 -600.29,885.55 -579.52,906.32 -578.89,906.32 -573.16,900.59 -573.16,899.95 -593.93,879.18 -593.93,878.55 -588.2,872.82 -587.56,872.82 -566.8,893.59 -566.16,893.59 -560.43,887.86 -560.43,887.22 -579.26,868.4 -579.26,864.26 -572.89,857.89 -571.12,856.12 -543.91,828.91 -367.06,828.91 -364.13,831.84 *1.83@-364.13,880.78
  Bottom Layer w5: v1(-585,1750) -585,1671.61 *5.3@-582.68,1669.29
B13_L16_P: *1.81 *5.1 | length 3511.1
  Top Layer w5: v1(-614.17,1724.66) -757.07,1724.66 -760,1721.73 -760,1515.28 -760,1506.56 -757.07,1503.63 -730.5,1503.63 -730,1503.13 -730,1494.13 -730.5,1493.63 -769.95,1493.63 -770.45,1493.13 -770.45,1484.13 -769.95,1483.63 -730.5,1483.63 -730,1483.13 -730,1474.13 -730.5,1473.63 -769.95,1473.63 -770.45,1473.13 -770.45,1464.13 -769.95,1463.63 -730.5,1463.63 -730,1463.13 -730,1454.13 -730.5,1453.63 -769.95,1453.63 -770.45,1453.13 -770.45,1444.13 -769.95,1443.63 -730.5,1443.63 -730,1443.13 -730,1434.13 -730.5,1433.63 -769.95,1433.63 -770.45,1433.13 -770.45,1424.13 -769.95,1423.63 -730.5,1423.63 -730,1423.13 -730,1414.13 -730.5,1413.63 -769.95,1413.63 -770.45,1413.13 -770.45,1404.13 -769.95,1403.63 -730.5,1403.63 -730,1403.13 -730,1394.13 -730.5,1393.63 -769.95,1393.63 -770.45,1393.13 -770.45,1384.13 -769.95,1383.63 -730.5,1383.63 -730,1383.13 -730,1374.13 -730.5,1373.63 -769.95,1373.63 -770.45,1373.13 -770.45,1364.13 -769.95,1363.63 -730.5,1363.63 -730,1363.13 -730,1354.13 -730.5,1353.63 -769.95,1353.63 -770.45,1353.13 -770.45,1344.13 -769.95,1343.63 -730.5,1343.63 -730,1343.13 -730,1334.13 -730.5,1333.63 -769.95,1333.63 -770.45,1333.13 -770.45,1324.13 -769.95,1323.63 -730.5,1323.63 -730,1323.13 -730,1314.13 -730.5,1313.63 -769.95,1313.63 -770.45,1313.13 -770.45,1304.13 -769.95,1303.63 -730.5,1303.63 -730,1303.13 -730,1294.13 -730.5,1293.63 -769.95,1293.63 -770.45,1293.13 -770.45,1284.13 -769.95,1283.63 -730.5,1283.63 -730,1283.13 -730,1274.13 -730.5,1273.63 -769.95,1273.63 -770.45,1273.13 -770.45,1264.13 -769.95,1263.63 -730.5,1263.63 -730,1263.13 -730,1254.13 -730.5,1253.63 -769.95,1253.63 -770.45,1253.13 -770.45,1244.13 -769.95,1243.63 -730.5,1243.63 -730,1243.13 -730,1234.13 -730.5,1233.63 -769.95,1233.63 -770.45,1233.13 -770.45,1224.13 -769.95,1223.63 -730.5,1223.63 -730,1223.13 -730,1214.13 -730.5,1213.63 -769.95,1213.63 -770.45,1213.13 -770.45,1204.13 -769.95,1203.63 -730.5,1203.63 -730,1203.13 -730,1194.13 -730.5,1193.63 -769.95,1193.63 -770.45,1193.13 -770.45,1184.13 -769.95,1183.63 -730.5,1183.63 -730,1183.13 -730,1174.13 -730.5,1173.63 -769.95,1173.63 -770.45,1173.13 -770.45,1164.13 -769.95,1163.63 -730.5,1163.63 -730,1163.13 -730,1154.13 -730.5,1153.63 -769.95,1153.63 -770.45,1153.13 -770.45,1144.13 -769.95,1143.63 -730.5,1143.63 -730,1143.13 -730,1134.13 -730.5,1133.63 -769.94,1133.63 -770.44,1133.13 -770.44,1124.13 -769.94,1123.63 -762.93,1123.63 -760,1120.71 -760,1118.21 -760,1107 -747,1094 -745.23,1092.23 -741.29,1088.29 -737.15,1088.29 -725.41,1100.04 -723.99,1100.04 -718.34,1094.38 -718.34,1092.96 -733.45,1077.85 -733.45,1076.43 -727.79,1070.78 -726.38,1070.78 -711.26,1085.89 -709.85,1085.89 -704.19,1080.24 -704.19,1078.82 -719.31,1063.71 -719.31,1062.29 -713.65,1056.64 -712.24,1056.64 -697.12,1071.75 -695.71,1071.75 -690.05,1066.09 -690.05,1064.68 -705.17,1049.56 -705.17,1048.15 -699.51,1042.49 -698.1,1042.49 -682.98,1057.61 -681.57,1057.61 -675.91,1051.95 -675.91,1050.54 -691.03,1035.42 -691.03,1034.01 -685.37,1028.35 -683.95,1028.35 -668.84,1043.47 -667.42,1043.47 -661.77,1037.81 -661.77,1036.4 -676.88,1021.28 -676.88,1019.87 -671.23,1014.21 -669.81,1014.21 -654.7,1029.32 -653.28,1029.32 -647.63,1023.67 -647.63,1022.25 -662.74,1007.14 -662.74,1005.72 -657.08,1000.07 -655.67,1000.07 -640.55,1015.18 -639.14,1015.18 -633.48,1009.53 -633.48,1008.11 -648.6,993 -648.6,991.58 -642.94,985.92 -641.53,985.92 -626.41,1001.04 -625,1001.04 -619.34,995.38 -619.34,993.97 -634.46,978.85 -634.46,977.44 -628.8,971.78 -627.39,971.78 -612.27,986.9 -610.86,986.9 -605.2,981.24 -605.2,979.83 -620.31,964.71 -620.31,963.3 -614.66,957.64 -613.24,957.64 -598.13,972.76 -596.71,972.76 -591.06,967.1 -591.06,965.68 -606.17,950.57 -606.17,949.16 -600.52,943.5 -599.1,943.5 -583.99,958.61 -582.57,958.61 -576.91,952.96 -576.91,951.54 -592.03,936.43 -592.03,935.01 -586.37,929.36 -584.96,929.36 -569.84,944.47 -568.43,944.47 -562.77,938.81 -562.77,937.4 -577.89,922.28 -577.89,920.87 -572.23,915.21 -570.82,915.21 -555.7,930.33 -554.29,930.33 -548.63,924.67 -548.63,923.26 -563.75,908.14 -563.75,906.73 -558.09,901.07 -556.67,901.07 -541.56,916.19 -540.15,916.19 -534.49,910.53 -534.49,909.12 -549.97,893.64 -549.97,892.22 -544.31,886.57 -542.89,886.57 -527.42,902.05 -526,902.05 -520.35,896.39 -520.35,894.97 -540.52,874.8 -540.52,873.38 -534.87,867.72 -533.45,867.72 -529.16,872.02 -525.02,872.02 -523.25,870.25 -514,861 -413.45,861 -413.01,861.45 -405.94,861.45 -393.67,873.71 *1.81@-393.67,904.53
  Bottom Layer w5: *5.1@-614.17,1669.29 v1(-614.17,1724.66)
B13_L17_N: *1.143 *5.63 | length 3481.4
  Top Layer w5: *1.143@226.41,872.86 226.41,808.19 275.59,759 642.34,759 953,1069.66 953,1103 953,1114.5 955.93,1117.43 968.05,1117.43 968.5,1117.88 968.5,1125.98 968.05,1126.43 953.45,1126.43 953,1126.88 953,1134.98 953.45,1135.43 968.05,1135.43 968.5,1135.88 968.5,1143.98 968.05,1144.43 953.45,1144.43 953,1144.88 953,1152.98 953.45,1153.43 968.05,1153.43 968.5,1153.88 968.5,1161.98 968.05,1162.43 953.45,1162.43 953,1162.88 953,1170.98 953.45,1171.43 968.05,1171.43 968.5,1171.88 968.5,1179.98 968.05,1180.43 953.45,1180.43 953,1180.88 953,1188.98 953.45,1189.43 968.05,1189.43 968.5,1189.88 968.5,1197.98 968.05,1198.43 953.45,1198.43 953,1198.88 953,1206.98 953.45,1207.43 968.05,1207.43 968.5,1207.88 968.5,1215.98 968.05,1216.43 953.45,1216.43 953,1216.88 953,1224.98 953.45,1225.43 968.05,1225.43 968.5,1225.88 968.5,1233.98 968.05,1234.43 953.45,1234.43 953,1234.88 953,1242.98 953.45,1243.43 968.05,1243.43 968.5,1243.88 968.5,1251.98 968.05,1252.43 953.45,1252.43 953,1252.88 953,1260.98 953.45,1261.43 968.05,1261.43 968.5,1261.88 968.5,1269.98 968.05,1270.43 953.45,1270.43 953,1270.88 953,1278.98 953.45,1279.43 968.05,1279.43 968.5,1279.88 968.5,1287.98 968.05,1288.43 953.45,1288.43 953,1288.88 953,1296.98 953.45,1297.43 968.05,1297.43 968.5,1297.88 968.5,1305.98 968.05,1306.43 953.45,1306.43 953,1306.88 953,1314.98 953.45,1315.43 968.05,1315.43 968.5,1315.88 968.5,1323.98 968.05,1324.43 953.45,1324.43 953,1324.88 953,1332.98 953.45,1333.43 968.05,1333.43 968.5,1333.88 968.5,1341.98 968.05,1342.43 953.45,1342.43 953,1342.88 953,1350.98 953.45,1351.43 968.05,1351.43 968.5,1351.88 968.5,1359.98 968.05,1360.43 953.45,1360.43 953,1360.88 953,1368.98 953.45,1369.43 968.05,1369.43 968.5,1369.88 968.5,1377.98 968.05,1378.43 953.45,1378.43 953,1378.88 953,1386.98 953.45,1387.43 968.05,1387.43 968.5,1387.88 968.5,1395.98 968.05,1396.43 953.45,1396.43 953,1396.88 953,1404.98 953.45,1405.43 968.05,1405.43 968.5,1405.88 968.5,1413.98 968.05,1414.43 953.45,1414.43 953,1414.88 953,1422.98 953.45,1423.43 968.05,1423.43 968.5,1423.88 968.5,1431.98 968.05,1432.43 953.45,1432.43 953,1432.88 953,1440.98 953.45,1441.43 968.05,1441.43 968.5,1441.88 968.5,1449.98 968.05,1450.43 953.45,1450.43 953,1450.88 953,1458.98 953.45,1459.43 968.05,1459.43 968.5,1459.88 968.5,1467.98 968.05,1468.43 953.45,1468.43 953,1468.88 953,1476.98 953.45,1477.43 968.05,1477.43 968.5,1477.88 968.5,1485.98 968.05,1486.43 953.45,1486.43 953,1486.88 953,1494.98 953.45,1495.43 968.05,1495.43 968.5,1495.88 968.5,1503.98 968.05,1504.43 953.45,1504.43 953,1504.88 953,1512.98 953.45,1513.43 968.05,1513.43 968.5,1513.88 968.5,1521.98 968.05,1522.43 953.45,1522.43 953,1522.88 953,1530.98 953.45,1531.43 968.05,1531.43 968.5,1531.88 968.5,1539.98 968.05,1540.43 953.45,1540.43 953,1540.88 953,1548.98 953.45,1549.43 968.05,1549.43 968.5,1549.88 968.5,1557.98 968.05,1558.43 953.45,1558.43 953,1558.88 953,1566.98 953.45,1567.43 968.05,1567.43 968.5,1567.88 968.5,1575.98 968.05,1576.43 953.45,1576.43 953,1576.88 953,1584.98 953.45,1585.43 968.05,1585.43 968.5,1585.88 968.5,1593.98 968.05,1594.43 953.45,1594.43 953,1594.88 953,1602.98 953.45,1603.43 968.05,1603.43 968.5,1603.88 968.5,1611.98 968.05,1612.43 953.45,1612.43 953,1612.88 953,1620.98 953.45,1621.43 968.05,1621.43 968.5,1621.88 968.5,1629.98 968.05,1630.43 953.45,1630.43 953,1630.88 953,1638.98 953.45,1639.43 968.05,1639.43 968.5,1639.88 968.5,1647.98 968.05,1648.43 953.45,1648.43 953,1648.88 953,1656.98 953.45,1657.43 968.05,1657.43 968.5,1657.88 968.5,1665.98 968.05,1666.43 953.45,1666.43 953,1666.88 953,1674.98 953.45,1675.43 968.05,1675.43 968.5,1675.88 968.5,1683.98 968.05,1684.43 953.45,1684.43 953,1684.88 953,1692.98 953.45,1693.43 968.05,1693.43 968.5,1693.88 968.5,1701.98 968.05,1702.43 953.45,1702.43 953,1702.88 953,1710.98 953.45,1711.43 968.05,1711.43 968.5,1711.88 968.5,1719.98 968.05,1720.43 953.45,1720.43 953,1720.88 953,1728.98 953.45,1729.43 968.05,1729.43 968.5,1729.88 968.5,1737.98 968.05,1738.43 953.45,1738.43 953,1738.88 953,1746.98 953.45,1747.43 968.05,1747.43 968.5,1747.88 968.5,1755.98 968.05,1756.43 953.45,1756.43 953,1756.88 953,1764.98 953.45,1765.43 968.05,1765.43 968.5,1765.88 968.5,1773.98 968.05,1774.43 955.93,1774.43 953,1777.36 953,1787 953,1798.34 935.34,1816 426,1816 v1(365,1755)
  Bottom Layer w5: *5.63@362.21,1669.29 365,1672.09 v1(365,1755)
B13_L17_P: *1.141 *5.61 | length 3414.5
  Top Layer w5: *1.141@206.72,868.49 206.72,812.28 271,748 646.89,748 980,1081.11 980,1097.71 980,1109.21 982.93,1112.13 992.27,1112.13 992.72,1112.58 992.72,1120.68 992.27,1121.13 979.95,1121.13 979.5,1121.58 979.5,1129.68 979.95,1130.13 992.27,1130.13 992.72,1130.58 992.72,1138.68 992.27,1139.13 979.95,1139.13 979.5,1139.58 979.5,1147.68 979.95,1148.13 992.27,1148.13 992.72,1148.58 992.72,1156.68 992.27,1157.13 979.95,1157.13 979.5,1157.58 979.5,1165.68 979.95,1166.13 992.27,1166.13 992.72,1166.58 992.72,1174.68 992.27,1175.13 979.95,1175.13 979.5,1175.58 979.5,1183.68 979.95,1184.13 992.27,1184.13 992.72,1184.58 992.72,1192.68 992.27,1193.13 979.95,1193.13 979.5,1193.58 979.5,1201.68 979.95,1202.13 992.27,1202.13 992.72,1202.58 992.72,1210.68 992.27,1211.13 979.95,1211.13 979.5,1211.58 979.5,1219.68 979.95,1220.13 992.27,1220.13 992.72,1220.58 992.72,1228.68 992.27,1229.13 979.95,1229.13 979.5,1229.58 979.5,1237.68 979.95,1238.13 992.27,1238.13 992.72,1238.58 992.72,1246.68 992.27,1247.13 979.95,1247.13 979.5,1247.58 979.5,1255.68 979.95,1256.13 992.27,1256.13 992.72,1256.58 992.72,1264.68 992.27,1265.13 979.95,1265.13 979.5,1265.58 979.5,1273.68 979.95,1274.13 992.27,1274.13 992.72,1274.58 992.72,1282.68 992.27,1283.13 979.95,1283.13 979.5,1283.58 979.5,1291.68 979.95,1292.13 992.27,1292.13 992.72,1292.58 992.72,1300.68 992.27,1301.13 979.95,1301.13 979.5,1301.58 979.5,1309.68 979.95,1310.13 992.27,1310.13 992.72,1310.58 992.72,1318.68 992.27,1319.13 979.95,1319.13 979.5,1319.58 979.5,1327.68 979.95,1328.13 992.27,1328.13 992.72,1328.58 992.72,1336.68 992.27,1337.13 979.95,1337.13 979.5,1337.58 979.5,1345.68 979.95,1346.13 992.27,1346.13 992.72,1346.58 992.72,1354.68 992.27,1355.13 979.95,1355.13 979.5,1355.58 979.5,1363.68 979.95,1364.13 992.27,1364.13 992.72,1364.58 992.72,1372.68 992.27,1373.13 979.95,1373.13 979.5,1373.58 979.5,1381.68 979.95,1382.13 992.27,1382.13 992.72,1382.58 992.72,1390.68 992.27,1391.13 979.95,1391.13 979.5,1391.58 979.5,1399.68 979.95,1400.13 992.27,1400.13 992.72,1400.58 992.72,1408.68 992.27,1409.13 979.95,1409.13 979.5,1409.58 979.5,1417.68 979.95,1418.13 992.27,1418.13 992.72,1418.58 992.72,1426.68 992.27,1427.13 979.95,1427.13 979.5,1427.58 979.5,1435.68 979.95,1436.13 992.27,1436.13 992.72,1436.58 992.72,1444.68 992.27,1445.13 979.95,1445.13 979.5,1445.58 979.5,1453.68 979.95,1454.13 992.27,1454.13 992.72,1454.58 992.72,1462.68 992.27,1463.13 979.95,1463.13 979.5,1463.58 979.5,1471.68 979.95,1472.13 992.27,1472.13 992.72,1472.58 992.72,1480.68 992.27,1481.13 979.95,1481.13 979.5,1481.58 979.5,1489.68 979.95,1490.13 992.27,1490.13 992.72,1490.58 992.72,1498.68 992.27,1499.13 979.95,1499.13 979.5,1499.58 979.5,1507.68 979.95,1508.13 992.27,1508.13 992.72,1508.58 992.72,1516.68 992.27,1517.13 979.95,1517.13 979.5,1517.58 979.5,1525.68 979.95,1526.13 992.27,1526.13 992.72,1526.58 992.72,1534.68 992.27,1535.13 979.95,1535.13 979.5,1535.58 979.5,1543.68 979.95,1544.13 992.27,1544.13 992.72,1544.58 992.72,1552.68 992.27,1553.13 979.95,1553.13 979.5,1553.58 979.5,1561.68 979.95,1562.13 992.27,1562.13 992.72,1562.58 992.72,1570.68 992.27,1571.13 979.95,1571.13 979.5,1571.58 979.5,1579.68 979.95,1580.13 992.27,1580.13 992.72,1580.58 992.72,1588.68 992.27,1589.13 979.95,1589.13 979.5,1589.58 979.5,1597.68 979.95,1598.13 992.27,1598.13 992.72,1598.58 992.72,1606.68 992.27,1607.13 979.95,1607.13 979.5,1607.58 979.5,1615.68 979.95,1616.13 992.27,1616.13 992.72,1616.58 992.72,1624.68 992.27,1625.13 979.95,1625.13 979.5,1625.58 979.5,1633.68 979.95,1634.13 992.27,1634.13 992.72,1634.58 992.72,1642.68 992.27,1643.13 979.95,1643.13 979.5,1643.58 979.5,1651.68 979.95,1652.13 992.27,1652.13 992.72,1652.58 992.72,1660.68 992.27,1661.13 979.95,1661.13 979.5,1661.58 979.5,1669.68 979.95,1670.13 992.27,1670.13 992.72,1670.58 992.72,1678.68 992.27,1679.13 979.95,1679.13 979.5,1679.58 979.5,1687.68 979.95,1688.13 992.27,1688.13 992.72,1688.58 992.72,1696.68 992.27,1697.13 979.95,1697.13 979.5,1697.58 979.5,1705.68 979.95,1706.13 992.27,1706.13 992.72,1706.58 992.72,1714.68 992.27,1715.13 979.95,1715.13 979.5,1715.58 979.5,1723.68 979.95,1724.13 992.27,1724.13 992.72,1724.58 992.72,1732.68 992.27,1733.13 979.95,1733.13 979.5,1733.58 979.5,1741.68 979.95,1742.13 992.27,1742.13 992.72,1742.58 992.72,1750.68 992.27,1751.13 979.95,1751.13 979.5,1751.58 979.5,1759.68 979.95,1760.13 992.27,1760.13 992.72,1760.58 992.72,1768.68 992.27,1769.13 982.93,1769.13 980,1772.06 980,1777 980,1786.89 939.89,1827 407,1827 330.71,1750.71 v1(330.71,1724.66)
  Bottom Layer w5: *5.61@330.71,1669.29 v1(330.71,1724.66)
B14_IO0: *1.159 *5.79 | length 3483.9
  Top Layer w5: *1.159@393.73,880.78 434.51,840 583,840 601,858 602.77,859.77 602.77,863.91 591.32,875.36 591.32,876.77 596.98,882.43 598.39,882.43 617.92,862.9 619.34,862.9 625,868.55 625,869.97 605.46,889.5 605.46,890.91 611.12,896.57 612.53,896.57 632.07,877.04 633.48,877.04 639.14,882.69 639.14,884.11 619.6,903.64 619.6,905.06 625.26,910.71 626.67,910.71 646.21,891.18 647.62,891.18 653.28,896.84 653.28,898.25 633.75,917.78 633.75,919.2 639.4,924.86 640.82,924.86 660.35,905.32 661.77,905.32 667.42,910.98 667.42,912.39 647.89,931.93 647.89,933.34 653.55,939 654.96,939 674.49,919.46 675.91,919.46 681.56,925.12 681.56,926.53 662.03,946.07 662.03,947.48 667.69,953.14 669.1,953.14 688.64,933.61 690.05,933.61 695.71,939.26 695.71,940.68 676.17,960.21 676.17,961.63 681.83,967.28 683.24,967.28 702.78,947.75 704.19,947.75 709.85,953.41 709.85,954.82 690.31,974.35 690.31,975.77 695.97,981.42 697.39,981.42 716.92,961.89 718.33,961.89 723.99,967.55 723.99,968.96 704.46,988.5 704.46,989.91 710.11,995.57 711.53,995.57 731.06,976.03 732.48,976.03 738.13,981.69 738.13,983.1 734.19,987.05 734.19,991.19 741.76,998.76 760,1017 760,1025.24 760,1027.74 757.07,1030.67 730.45,1030.67 730,1031.12 730,1039.22 730.45,1039.67 759.96,1039.67 760.41,1040.12 760.41,1048.22 759.96,1048.67 730.45,1048.67 730,1049.12 730,1057.22 730.45,1057.67 759.96,1057.67 760.41,1058.12 760.41,1066.22 759.96,1066.67 730.45,1066.67 730,1067.12 730,1075.22 730.45,1075.67 759.96,1075.67 760.41,1076.12 760.41,1084.22 759.96,1084.67 730.45,1084.67 730,1085.12 730,1093.22 730.45,1093.67 759.96,1093.67 760.41,1094.12 760.41,1102.22 759.96,1102.67 730.45,1102.67 730,1103.12 730,1111.22 730.45,1111.67 759.96,1111.67 760.41,1112.12 760.41,1120.22 759.96,1120.67 730.45,1120.67 730,1121.12 730,1129.22 730.45,1129.67 759.96,1129.67 760.41,1130.12 760.41,1138.22 759.96,1138.67 730.45,1138.67 730,1139.12 730,1147.22 730.45,1147.67 759.96,1147.67 760.41,1148.12 760.41,1156.22 759.96,1156.67 730.45,1156.67 730,1157.12 730,1165.22 730.45,1165.67 759.96,1165.67 760.41,1166.12 760.41,1174.22 759.96,1174.67 730.45,1174.67 730,1175.12 730,1183.22 730.45,1183.67 759.96,1183.67 760.41,1184.12 760.41,1192.22 759.96,1192.67 730.45,1192.67 730,1193.12 730,1201.22 730.45,1201.67 759.96,1201.67 760.41,1202.12 760.41,1210.22 759.96,1210.67 730.45,1210.67 730,1211.12 730,1219.22 730.45,1219.67 759.96,1219.67 760.41,1220.12 760.41,1228.22 759.96,1228.67 730.45,1228.67 730,1229.12 730,1237.22 730.45,1237.67 759.96,1237.67 760.41,1238.12 760.41,1246.22 759.96,1246.67 730.45,1246.67 730,1247.12 730,1255.22 730.45,1255.67 759.96,1255.67 760.41,1256.12 760.41,1264.22 759.96,1264.67 730.45,1264.67 730,1265.12 730,1273.22 730.45,1273.67 759.96,1273.67 760.41,1274.12 760.41,1282.22 759.96,1282.67 730.45,1282.67 730,1283.12 730,1291.22 730.45,1291.67 759.96,1291.67 760.41,1292.12 760.41,1300.22 759.96,1300.67 730.45,1300.67 730,1301.12 730,1309.22 730.45,1309.67 759.96,1309.67 760.41,1310.12 760.41,1318.22 759.96,1318.67 730.45,1318.67 730,1319.12 730,1327.22 730.45,1327.67 759.96,1327.67 760.41,1328.12 760.41,1336.22 759.96,1336.67 730.45,1336.67 730,1337.12 730,1345.22 730.45,1345.67 759.96,1345.67 760.41,1346.12 760.41,1354.22 759.96,1354.67 730.45,1354.67 730,1355.12 730,1363.22 730.45,1363.67 759.96,1363.67 760.41,1364.12 760.41,1372.22 759.96,1372.67 730.45,1372.67 730,1373.12 730,1381.22 730.45,1381.67 759.96,1381.67 760.41,1382.12 760.41,1390.22 759.96,1390.67 730.45,1390.67 730,1391.12 730,1399.22 730.45,1399.67 759.96,1399.67 760.41,1400.12 760.41,1408.22 759.96,1408.67 730.45,1408.67 730,1409.12 730,1417.22 730.45,1417.67 759.96,1417.67 760.41,1418.12 760.41,1426.22 759.96,1426.67 730.45,1426.67 730,1427.12 730,1435.22 730.45,1435.67 759.96,1435.67 760.41,1436.12 760.41,1444.22 759.96,1444.67 730.45,1444.67 730,1445.12 730,1453.22 730.45,1453.67 759.96,1453.67 760.41,1454.12 760.41,1462.22 759.96,1462.67 730.45,1462.67 730,1463.12 730,1471.22 730.45,1471.67 759.96,1471.67 760.41,1472.12 760.41,1480.22 759.96,1480.67 730.45,1480.67 730,1481.12 730,1489.22 730.45,1489.67 759.96,1489.67 760.41,1490.12 760.41,1498.22 759.96,1498.67 730.45,1498.67 730,1499.12 730,1507.22 730.45,1507.67 757.07,1507.67 760,1510.6 760,1516.09 760,1717 747,1730 v1(620,1730)
  Bottom Layer w5: *5.79@614.17,1669.29 614.17,1719.57 620,1725.4 v1(620,1730)
B14_IO25: *1.160 *5.80 | length 497.7
  Top Layer w5: *1.160@385.53,1077.31 396.39,1088.17 396.39,1166.39 614.17,1384.17 v1(614.17,1424.95)
  Bottom Layer w5: v1(614.17,1424.95) *5.80@614.17,1480.32
B14_L3_N: *1.142 *5.62 | length 460.4
  Top Layer w5: *1.142@206.72,1071.31 206.72,1256.72 v1(330,1380)
  Bottom Layer w5: v1(330,1380) 330,1479.61 *5.62@330.71,1480.32
B14_L3_P: *1.144 *5.64 | length 466.1
  Top Layer w5: *1.144@226.41,1070.43 226.41,1241.41 362.21,1377.21 v1(362.21,1424.95)
  Bottom Layer w5: v1(362.21,1424.95) *5.64@362.21,1480.32
B14_L4_N: *1.124 *5.44 | length 402.1
  Top Layer w5: *1.124@29.55,1085.5 29.55,1282.55 47.24,1300.24 v1(47.24,1424.95)
  Bottom Layer w5: v1(47.24,1424.95) *5.44@47.24,1480.32
B14_L4_P: *1.122 *5.42 | length 397.3
  Top Layer w5: *1.122@9.86,1085.5 9.86,1370.26 15,1375.4 v1(15,1380)
  Bottom Layer w5: v1(15,1380) 15,1479.57 *5.42@15.75,1480.32